# Altium PCB miniBackplane.PcbDoc (part 21 of 24)
Units mil, origin at the board's own origin, x right, y up, seen from the top; angles counter-clockwise.
Board outline 17285.63 x 8582.68 mil, 6 copper layers (Top Layer, Mid-Layer 1, GND, PWR, Mid-Layer 2, Bottom Layer), stack 62.362 mil thick; 519 components, 474 nets, 2434 pads, 1493 vias.
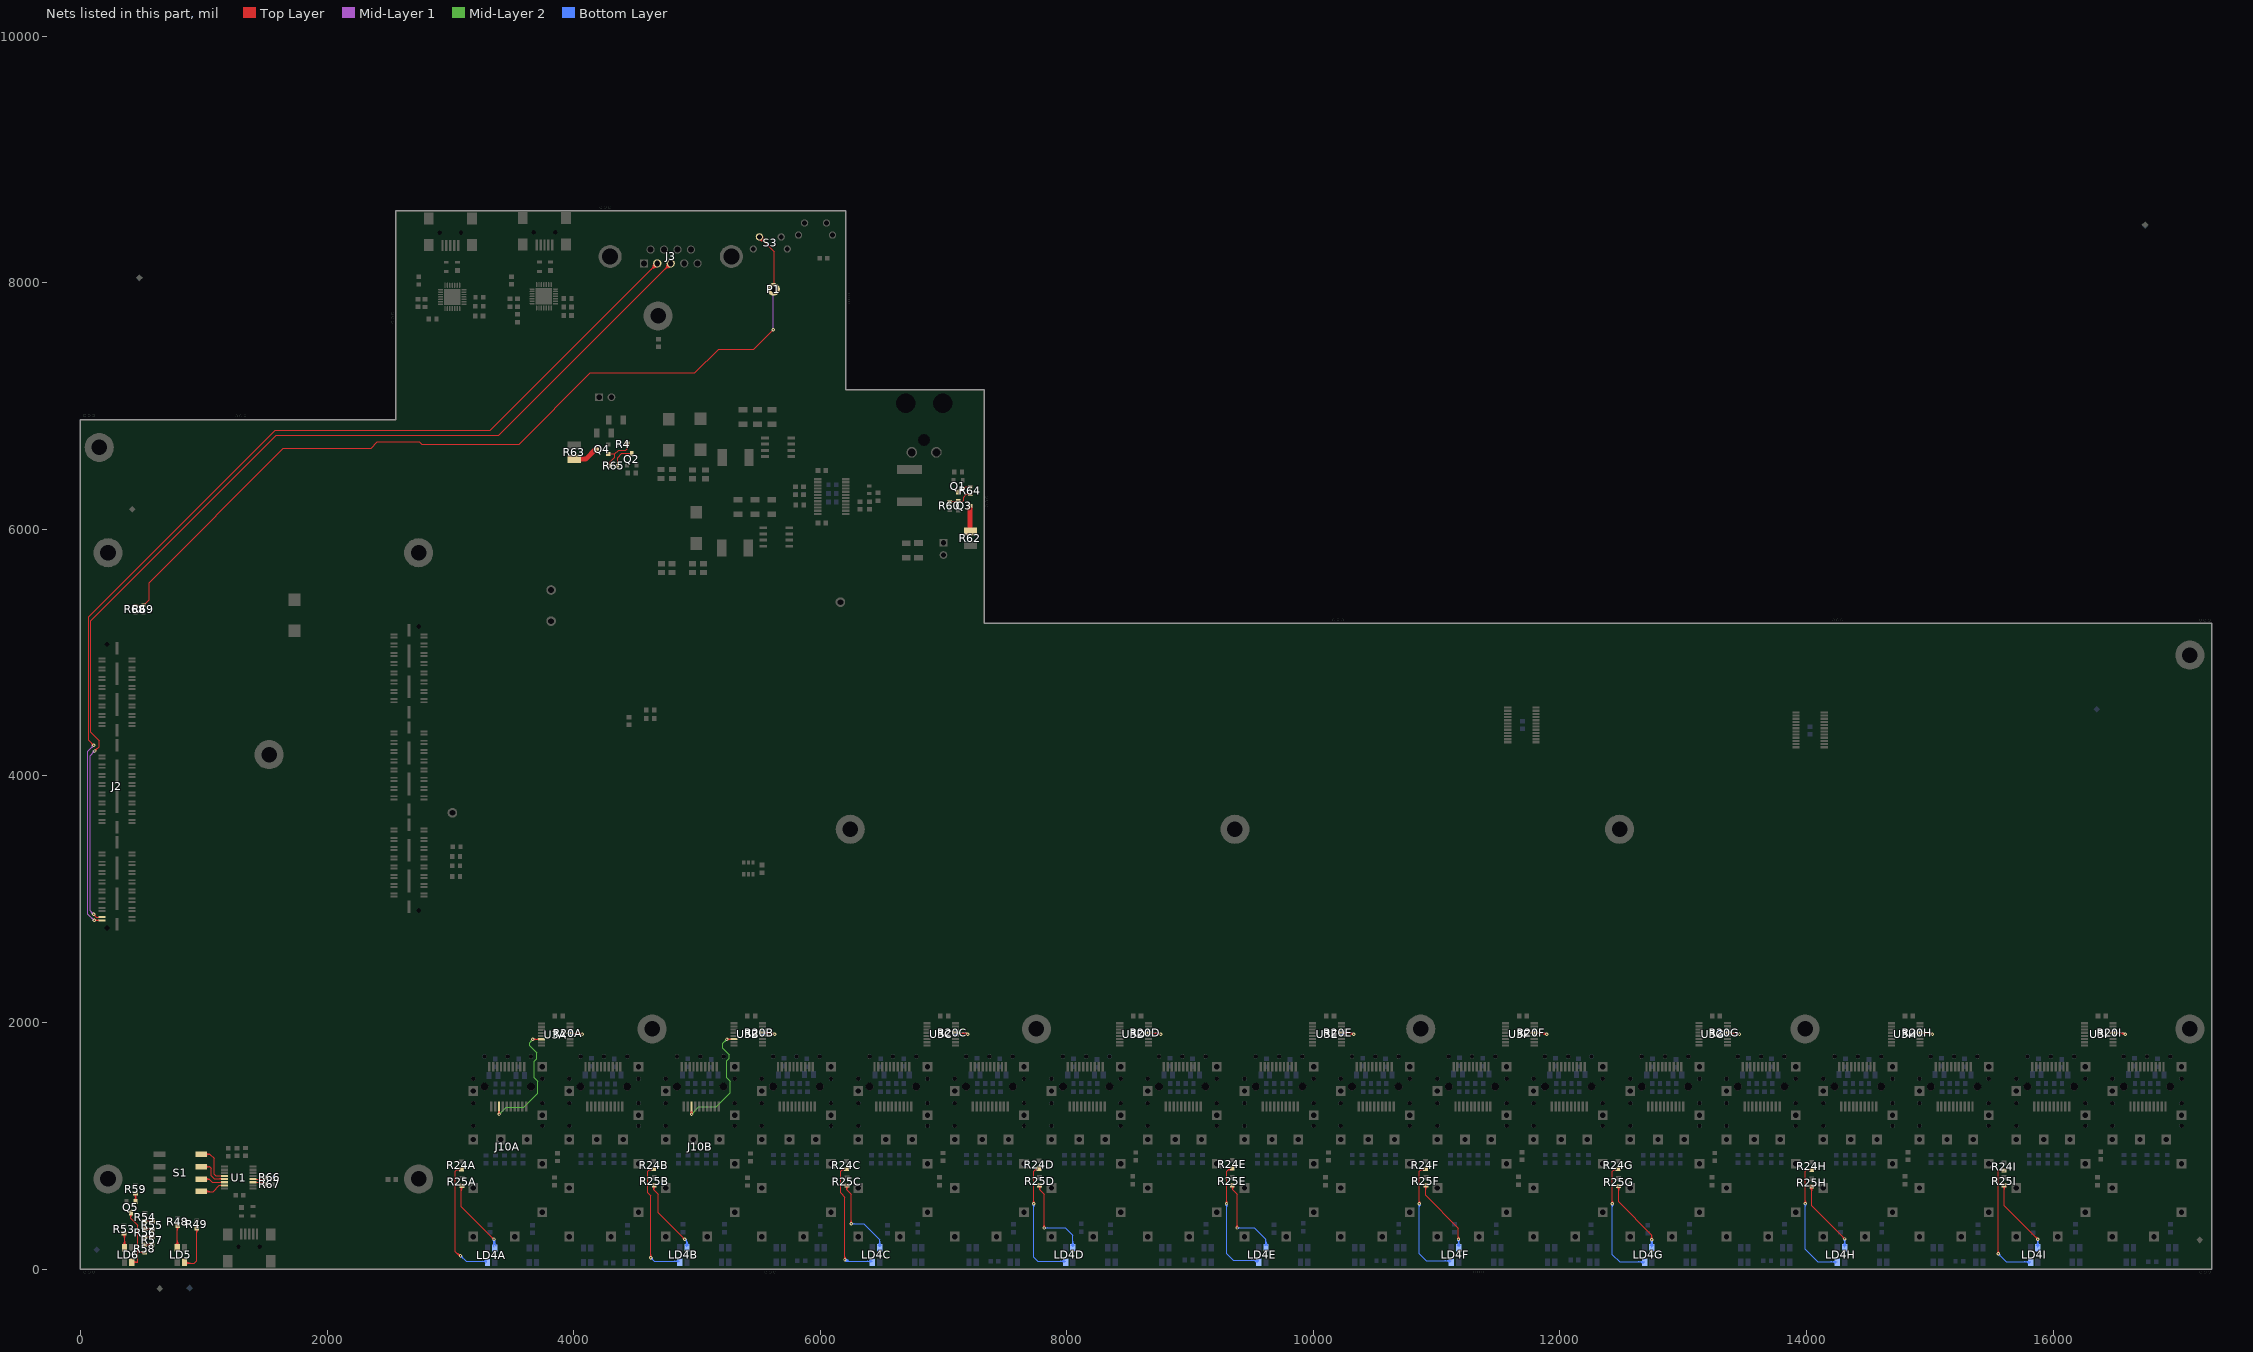
[diagram p25: the nets of this part, all layers, seen from the top]

## Via types
v1: diameter 27.56, hole 11.81, Top Layer to Bottom Layer, tented both sides, 1347 vias
v2: diameter 23.62, hole 11.81, Top Layer to Bottom Layer, tented both sides, 146 vias

## Nets (pads, with @x,y where several pads share a name; then routed paths per layer and width w, separated by ;. In a path a pad name is that pad's centre, name@x,y a point inside that pad or via, vN(x,y) a via of type N, cw(c..) or ccw(c..) an arc to the next point about the centre after c; other vN are vias at no path point) (continued)
NetLD4A_2: LD4A.2 R24A.2 | length 1577.6
  Top Layer w7.87: 3059.94,124.52 cw(c3051.29,92.21) v1@3080.95,107.67 ; 3064.88,115.32 ccw(c3069.21,131.5) v1@3077.7,117.07 ; 3064.88,115.33 cw(c3061.94,104.38) v1@3073.05,106.63 ; v1@3082.69,98.43 3039.67,141.45 3039.67,791.96 3053.17,805.46 ; R24A.2@3084.67,805.46 3053.17,805.46 ; 3053.17,805.46 ccw(c3053.17,836) 3077.58,817.65 cw(c3053.17,836) 3053.17,805.46 ; 3048.55,132.57 ccw(c3082.69,166.71) 3082.69,118.42 cw(c3082.69,166.71) 3048.55,132.57 ; 3061.99,119.12 ccw(c3082.69,139.82) 3082.69,110.55 cw(c3082.69,139.82) 3061.99,119.12 ; 3064.76,805.46 cw(c3064.76,785.53) 3078.85,799.63 ccw(c3064.76,785.53) 3064.76,805.46 ; 3068.95,805.46 ccw(c3068.95,824.15) 3083.88,812.92 cw(c3068.95,824.15) 3068.95,805.46
  Bottom Layer w7.87: v1(3082.69,108.58) 3129.94,61.34 LD4A.2@3297.26,61.34 ; 3099.49,91.78 ccw(c3082.69,74.98) 3082.69,98.74 cw(c3082.69,74.98) 3099.49,91.78 ; 3099.49,91.78 cw(c3116.3,108.58) 3092.54,108.58 ccw(c3116.3,108.58) 3099.49,91.78 ; 3258.43,61.34 ccw(c3258.43,104.11) 3288.67,73.87 cw(c3258.43,104.11) 3258.43,61.34 ; 3258.43,61.34 cw(c3258.43,18.57) 3288.67,48.81 ccw(c3258.43,18.57) 3258.43,61.34 ; 3277.43,61.34 ccw(c3277.43,85.1) 3294.24,68.3 cw(c3277.43,85.1) 3277.43,61.34 ; 3277.43,61.34 cw(c3277.43,37.58) 3294.24,54.38 ccw(c3277.43,37.58) 3277.43,61.34
NetLD4A_3: LD4A.3 R25A.2 | length 1240
  Top Layer w7.87: R25A.2@3089.67,660.46 3089.67,505.15 v1(3354.35,240.47) ; 3338.87,254.46 cw(c3334,236.31) v1@3352.42,240.08 ; 3340.36,255.95 ccw(c3358.51,260.81) v1@3354.74,242.4 ; 3337.54,257.27 ccw(c3354.35,274.08) 3354.35,250.31 cw(c3354.35,274.08) 3337.54,257.27 ; 3337.54,257.27 cw(c3320.74,240.47) 3344.5,240.47 ccw(c3320.74,240.47) 3337.54,257.27 ; R25A.2@3082.79,665.77 cw(c3066.19,649.16) 3089.67,649.16 ccw(c3066.19,649.16) R25A.2@3082.79,665.77 ; 3089.67,635.33 cw(c3132.72,635.33) 3102.28,665.77 ccw(c3132.72,635.33) 3089.67,635.33 ; 3089.67,654.33 cw(c3113.71,654.33) 3096.71,671.34 ccw(c3113.71,654.33) 3089.67,654.33
  Bottom Layer w7.87: v1(3354.35,240.47) 3354.35,181.42 LD4A.3@3356.31,179.45 ; v1@3349.42,231.95 cw(c3339.31,214.43) 3358.85,219.66 ; v1@3349.42,231.95 cw(c3339.31,214.43) 3358.85,219.66 ; v1@3349.42,231.95 cw(c3339.31,214.43) 3358.85,219.66 ; 3354.35,216.71 ccw(c3330.58,216.71) 3347.39,233.51 cw(c3330.58,216.71) 3354.35,216.71 ; 3354.35,216.71 cw(c3378.11,216.71) 3361.31,233.51 ccw(c3378.11,216.71) 3354.35,216.71 ; 3360.14,214.84 cw(c3386.51,221.9) v1@3362.87,235.55 ; 3360.14,214.84 cw(c3386.51,221.9) v1@3362.87,235.55 ; 3360.14,214.84 cw(c3386.51,221.9) v1@3362.87,235.55 ; LD4A.3@3347.72,191.98 ccw(c3331.74,207.96) 3354.35,207.96 cw(c3331.74,207.96) LD4A.3@3347.72,191.98 ; 3354.35,217.47 ccw(c3398.27,217.47) 3367.21,186.41 cw(c3398.27,217.47) 3354.35,217.47 ; v1@3354.35,236.48 ccw(c3417.28,236.48) 3372.78,191.98 cw(c3417.28,236.48) v1@3354.35,236.48
NetLD4B_2: LD4B.2 R24B.2 | length 1479.1
  Top Layer w7.87: v1@4625.38,90.55 4625.38,594.36 4601.13,618.61 4601.13,793.61 4614.63,807.12 ; R24B.2@4646.13,807.12 4614.63,807.12 ; 4614.63,807.12 ccw(c4614.63,833.75) 4636.65,818.77 cw(c4614.63,833.75) 4614.63,807.12 ; v1@4619.43,97.51 ccw(c4605.08,111.86) 4625.38,111.86 cw(c4605.08,111.86) v1@4619.43,97.51 ; 4624.21,807.12 cw(c4624.21,787.19) 4638.3,801.28 ccw(c4624.21,787.19) 4624.21,807.12 ; 4625.38,116.76 ccw(c4652.61,116.76) 4633.35,97.51 cw(c4652.61,116.76) 4625.38,116.76 ; 4629.51,807.12 ccw(c4629.51,823.63) 4643.16,814.34 cw(c4629.51,823.63) 4629.51,807.12
  Bottom Layer w7.87: v1(4626.39,90.55) 4653.95,62.99 LD4B.2@4856.71,62.99 ; 4643.2,73.75 ccw(c4626.39,56.95) 4626.39,80.71 cw(c4626.39,56.95) 4643.2,73.75 ; 4643.2,73.75 cw(c4660,90.55) 4636.24,90.55 ccw(c4660,90.55) 4643.2,73.75 ; 4817.87,62.99 ccw(c4817.87,105.76) 4848.12,75.52 cw(c4817.87,105.76) 4817.87,62.99 ; 4817.87,62.99 cw(c4817.87,20.22) 4848.12,50.46 ccw(c4817.87,20.22) 4817.87,62.99 ; 4836.88,62.99 ccw(c4836.88,86.75) 4853.69,69.95 cw(c4836.88,86.75) 4836.88,62.99 ; 4836.88,62.99 cw(c4836.88,39.23) 4853.69,56.03 ccw(c4836.88,39.23) 4836.88,62.99
NetLD4B_3: LD4B.3 R25B.2 | length 1117.4
  Top Layer w7.87: 4886.51,254.15 cw(c4881.64,235.99) v1@4900.06,239.76 ; 4887.99,255.63 ccw(c4906.15,260.5) v1@4902.38,242.09 ; v1(4901.98,240.16) 4686.13,456.02 4686.13,608.61 4651.13,643.61 4651.13,662.12 ; 4651.13,662.1 ccw(c4644.47,662.1) 4646.92,668.29 cw(c4644.47,662.1) 4651.13,662.1 ; 4651.13,662.1 cw(c4657,662.1) 4655.5,667.78 ccw(c4657,662.1) 4651.13,662.1 ; 4885.18,256.96 ccw(c4901.98,273.76) 4901.98,250 cw(c4901.98,273.76) 4885.18,256.96 ; 4885.18,256.96 cw(c4868.38,240.16) 4892.14,240.16 ccw(c4868.38,240.16) 4885.18,256.96 ; R25B.2@4642.24,671.36 cw(c4620.79,649.91) 4651.13,649.91 ccw(c4620.79,649.91) R25B.2@4642.24,671.36 ; 4651.13,645.76 cw(c4687.32,645.76) 4661.73,671.36 ccw(c4687.32,645.76) 4651.13,645.76
  Bottom Layer w7.87: v1(4901.98,240.16) 4919.7,222.44 ; LD4B.3@4919.7,181.1 4919.7,222.44 ; 4918.79,223.36 ccw(c4901.98,206.55) 4901.98,230.31 cw(c4901.98,206.55) 4918.79,223.36 ; 4918.79,223.35 cw(c4935.59,240.16) 4911.83,240.16 ccw(c4935.59,240.16) 4918.79,223.35 ; 4919.7,204.07 ccw(c4941.57,204.07) 4926.49,188.23 cw(c4941.57,204.07) 4919.7,204.07 ; 4919.7,204.07 cw(c4897.83,204.07) 4912.91,188.23 ccw(c4897.83,204.07) 4919.7,204.07 ; 4919.7,222.44 ccw(c4959.07,222.44) 4931.92,193.93 cw(c4959.07,222.44) 4919.7,222.44 ; 4919.7,222.44 cw(c4880.33,222.44) 4907.48,193.93 ccw(c4880.33,222.44) 4919.7,222.44
NetLD4C_2: LD4C.2 R24C.2 | length 1692.4
  Top Layer w7.87: v1(6201.2,74.81) 6201.2,583.55 6166.13,618.62 6166.13,793.62 6179.63,807.13 ; R24C.2@6211.13,807.13 6179.63,807.13 ; 6179.63,807.13 ccw(c6179.63,830.08) 6199.26,818.18 cw(c6179.63,830.08) 6179.63,807.13 ; 6201.2,98.57 ccw(c6224.96,98.57) 6208.16,81.77 cw(c6224.96,98.57) 6201.2,98.57 ; 6201.2,98.57 cw(c6177.43,98.57) 6194.24,81.77 ccw(c6177.43,98.57) 6201.2,98.57 ; 6187.2,807.13 cw(c6187.2,787.19) 6201.3,801.29 ccw(c6187.2,787.19) 6187.2,807.13 ; R24C.2@6193.62,807.13 ccw(c6193.62,821.6) 6205.99,814.09 cw(c6193.62,821.6) R24C.2@6193.62,807.13
  Bottom Layer w7.87: v1(6201.2,74.81) 6213.01,63 LD4C.2@6423.64,63 ; v1@6202.35,73.21 cw(c6212.51,59.15) 6221.25,74.14 ; v1@6205.3,65.86 cw(c6212.82,49.45) 6221.84,65.09 ; v1@6206.96,66.83 cw(c6220.26,48.41) 6231.71,68.04 ; v1@6210.7,77.36 ccw(c6227.39,81.83) 6218.75,66.87 ; 6380.87,63 ccw(c6380.87,105.77) 6411.11,75.53 cw(c6380.87,105.77) 6380.87,63 ; 6380.87,63 cw(c6380.87,20.23) 6411.11,50.47 ccw(c6380.87,20.23) 6380.87,63 ; 6399.88,63 ccw(c6399.88,86.76) 6416.68,69.96 cw(c6399.88,86.76) 6399.88,63 ; 6399.88,63 cw(c6399.88,39.24) 6416.68,56.04 ccw(c6399.88,39.24) 6399.88,63 ; v1@6197.02,70.63 ccw(c6215.45,89.07) 6215.45,63 cw(c6215.45,89.07) v1@6197.02,70.63 ; v1@6202.59,76.2 ccw(c6234.46,108.08) 6234.46,63 cw(c6234.46,108.08) v1@6202.59,76.2 ; v1@6208.16,81.77 ccw(c6253.47,127.09) 6253.47,63 cw(c6253.47,127.09) v1@6208.16,81.77
NetLD4C_3: LD4C.3 R25C.2 | length 1111
  Top Layer w7.87: R25C.2@6216.13,662.13 6216.13,643.62 ; v1(6251.13,366.15) 6251.13,608.62 6216.13,643.62 ; 6216.13,643.61 cw(c6248.22,643.61) 6226.34,667.09 ccw(c6248.22,643.61) 6216.13,643.61 ; 6251.13,389.91 ccw(c6274.89,389.91) 6258.09,373.11 cw(c6274.89,389.91) 6251.13,389.91 ; 6251.13,389.91 cw(c6227.36,389.91) 6244.17,373.11 ccw(c6227.36,389.91) 6251.13,389.91 ; R25C.2@6207.2,667.43 cw(c6185.66,645.88) 6216.13,645.88 ccw(c6185.66,645.88) R25C.2@6207.2,667.43
  Bottom Layer w7.87: v1(6251.13,366.15) 6354.74,366.15 6482.69,238.2 LD4C.3@6482.69,181.11 ; 6274.89,366.15 ccw(c6274.89,342.39) 6258.09,359.19 cw(c6274.89,342.39) 6274.89,366.15 ; 6274.89,366.15 cw(c6274.89,389.91) 6258.09,373.11 ccw(c6274.89,389.91) 6274.89,366.15 ; 6482.69,204.87 ccw(c6506.45,204.87) 6489.65,188.07 cw(c6506.45,204.87) 6482.69,204.87 ; 6482.69,204.87 cw(c6458.93,204.87) 6475.73,188.07 ccw(c6458.93,204.87) 6482.69,204.87 ; 6482.69,223.88 ccw(c6525.46,223.88) 6495.22,193.64 cw(c6525.46,223.88) 6482.69,223.88 ; 6482.69,223.88 cw(c6439.92,223.88) 6470.17,193.64 ccw(c6439.92,223.88) 6482.69,223.88
NetLD4D_2: LD4D.2 R24D.2 | length 1457.5
  Top Layer w7.87: v1(7731.13,528.07) 7731.13,793.62 7744.63,807.13 ; R24D.2@7776.13,807.13 7744.63,807.13 ; 7731.13,551.83 ccw(c7754.89,551.83) 7738.09,535.03 cw(c7754.89,551.83) 7731.13,551.83 ; 7731.13,551.83 cw(c7707.36,551.83) 7724.17,535.03 ccw(c7707.36,551.83) 7731.13,551.83 ; 7744.63,807.13 ccw(c7744.63,824.15) 7760.88,819.07 cw(c7744.63,824.15) 7744.63,807.13 ; 7755.34,807.13 ccw(c7755.34,820.8) 7768.39,816.73 cw(c7755.34,820.8) 7755.34,807.13
  Bottom Layer w7.87: v1(7731.13,528.07) 7731.13,96.06 7764.19,63 LD4D.2@7990.57,63 ; 7731.13,504.31 ccw(c7707.36,504.31) 7724.17,521.11 cw(c7707.36,504.31) 7731.13,504.31 ; 7731.13,504.31 cw(c7754.89,504.31) 7738.09,521.11 ccw(c7754.89,504.31) 7731.13,504.31 ; 7947.8,63 ccw(c7947.8,105.77) 7978.04,75.53 cw(c7947.8,105.77) 7947.8,63 ; 7947.8,63 cw(c7947.8,20.23) 7978.04,50.47 ccw(c7947.8,20.23) 7947.8,63 ; 7966.8,63 ccw(c7966.8,86.76) 7983.61,69.96 cw(c7966.8,86.76) 7966.8,63 ; 7966.8,63 cw(c7966.8,39.24) 7983.61,56.04 ccw(c7966.8,39.24) 7966.8,63
NetLD4D_3: LD4D.3 R25D.2 | length 1188.1
  Top Layer w7.87: 7781.13,662.13 7781.13,643.62 7816.13,608.62 v1(7816.13,333.07) ; 7781.13,662.11 ccw(c7774.52,662.11) 7776.91,668.27 cw(c7774.52,662.11) 7781.13,662.11 ; 7781.13,662.11 cw(c7787.02,662.11) 7785.49,667.8 ccw(c7787.02,662.11) 7781.13,662.11 ; 7816.13,356.83 ccw(c7839.89,356.83) 7823.09,340.03 cw(c7839.89,356.83) 7816.13,356.83 ; 7816.13,356.83 cw(c7792.36,356.83) 7809.17,340.03 ccw(c7792.36,356.83) 7816.13,356.83 ; R25D.2@7772.16,671.37 cw(c7750.52,649.73) 7781.13,649.73 ccw(c7750.52,649.73) R25D.2@7772.16,671.37 ; 7781.13,645.96 cw(c7817.05,645.96) 7791.65,671.37 ccw(c7817.05,645.96) 7781.13,645.96
  Bottom Layer w7.87: v1(7816.13,333.07) 7989.76,333.07 8049.62,273.21 LD4D.3@8049.62,181.11 ; 7839.89,333.07 ccw(c7839.89,309.31) 7823.09,326.11 cw(c7839.89,309.31) 7839.89,333.07 ; 7839.89,333.07 cw(c7839.89,356.83) 7823.09,340.03 ccw(c7839.89,356.83) 7839.89,333.07 ; 8049.62,204.87 ccw(c8073.38,204.87) 8056.58,188.07 cw(c8073.38,204.87) 8049.62,204.87 ; 8049.62,204.87 cw(c8025.86,204.87) 8042.66,188.07 ccw(c8025.86,204.87) 8049.62,204.87 ; 8049.62,223.88 ccw(c8092.39,223.88) 8062.15,193.64 cw(c8092.39,223.88) 8049.62,223.88 ; 8049.62,223.88 cw(c8006.85,223.88) 8037.09,193.64 ccw(c8006.85,223.88) 8049.62,223.88
NetLD4E_2: LD4E.2 R24E.2 | length 1517.9
  Top Layer w7.87: v1(9296.13,528.07) 9296.13,793.62 9309.63,807.13 ; R24E.2@9341.13,807.13 9309.63,807.13 ; 9296.13,551.83 ccw(c9319.89,551.83) 9303.09,535.03 cw(c9319.89,551.83) 9296.13,551.83 ; 9296.13,551.83 cw(c9272.36,551.83) 9289.17,535.03 ccw(c9272.36,551.83) 9296.13,551.83 ; 9309.63,807.13 ccw(c9309.63,825.33) 9327.46,821.67 cw(c9309.63,825.33) 9309.63,807.13 ; 9319.28,807.13 ccw(c9319.28,823.35) 9335.18,820.09 cw(c9319.28,823.35) 9319.28,807.13
  Bottom Layer w7.87: v1(9296.13,528.07) 9296.13,125.55 9350.8,70.87 LD4E.2@9557.5,70.87 ; 9535.58,64.68 cw(c9530.42,55.75) LD4E.2@9540.38,58.41 ; 9296.13,504.31 ccw(c9272.36,504.31) 9289.17,521.11 cw(c9272.36,504.31) 9296.13,504.31 ; 9296.13,504.31 cw(c9319.89,504.31) 9303.09,521.11 ccw(c9319.89,504.31) 9296.13,504.31 ; 9533.73,70.87 ccw(c9533.73,86.76) 9544.97,75.53 cw(c9533.73,86.76) 9533.73,70.87 ; 9533.73,70.87 cw(c9533.73,39.24) 9556.1,61.61 ccw(c9533.73,39.24) 9533.73,70.87 ; 9495.71,70.87 cw(c9495.71,1.22) 9544.97,50.47 ccw(c9495.71,1.22) 9495.71,70.87 ; 9514.72,70.87 cw(c9514.72,20.23) 9550.54,56.04 ccw(c9514.72,20.23) 9514.72,70.87
NetLD4E_3: LD4E.3 R25E.2 | length 1132.3
  Top Layer w7.87: 9346.13,662.13 9346.13,643.62 9381.13,608.62 v1(9381.13,333.07) ; 9346.13,662.09 ccw(c9340.34,662.09) 9341.69,667.71 cw(c9340.34,662.09) 9346.13,662.09 ; 9346.13,662.09 cw(c9353.04,662.09) 9350.32,668.44 ccw(c9353.04,662.09) 9346.13,662.09 ; 9381.13,356.83 ccw(c9404.89,356.83) 9388.09,340.03 cw(c9404.89,356.83) 9381.13,356.83 ; 9381.13,356.83 cw(c9357.36,356.83) 9374.17,340.03 ccw(c9357.36,356.83) 9381.13,356.83 ; R25E.2@9335.15,671.37 cw(c9308.67,644.88) 9346.13,644.88 ccw(c9308.67,644.88) R25E.2@9335.15,671.37 ; 9346.13,650.81 cw(c9375.2,650.81) 9354.64,671.37 ccw(c9375.2,650.81) 9346.13,650.81
  Bottom Layer w7.87: v1(9381.13,333.07) 9521.68,333.07 9614.58,240.17 LD4E.3@9614.58,190.95 ; 9404.89,333.07 ccw(c9404.89,309.31) 9388.09,326.11 cw(c9404.89,309.31) 9404.89,333.07 ; 9404.89,333.07 cw(c9404.89,356.83) 9388.09,340.03 ccw(c9404.89,356.83) 9404.89,333.07 ; LD4E.3@9604.02,193.64 ccw(c9578.53,219.13) 9614.58,219.13 cw(c9578.53,219.13) LD4E.3@9604.02,193.64 ; 9614.58,209.62 ccw(c9645.07,209.62) 9623.51,188.07 cw(c9645.07,209.62) 9614.58,209.62 ; 9614.58,228.63 ccw(c9664.07,228.63) 9629.08,193.64 cw(c9664.07,228.63) 9614.58,228.63
NetLD4F_2: LD4F.2 R24F.2 | length 1460.3
  Top Layer w7.87: v1(10860.69,528.07) 10860.69,793.62 10874.2,807.13 ; R24F.2@10905.69,807.13 10874.2,807.13 ; 10860.69,551.83 ccw(c10884.45,551.83) 10867.65,535.03 cw(c10884.45,551.83) 10860.69,551.83 ; 10860.69,551.83 cw(c10836.93,551.83) 10853.73,535.03 ccw(c10836.93,551.83) 10860.69,551.83 ; 10874.2,807.13 ccw(c10874.2,833.46) 10896.03,818.74 cw(c10874.2,833.46) 10874.2,807.13 ; 10883.62,807.13 cw(c10883.62,787.19) 10897.71,801.29 ccw(c10883.62,787.19) 10883.62,807.13 ; 10889.01,807.13 ccw(c10889.01,823.48) 10902.56,814.33 cw(c10889.01,823.48) 10889.01,807.13
  Bottom Layer w7.87: v1(10860.69,528.07) 10860.69,123.54 10917.3,66.94 LD4F.2@11120.05,66.94 ; 10860.69,504.31 ccw(c10836.93,504.31) 10853.73,521.11 cw(c10836.93,504.31) 10860.69,504.31 ; 10860.69,504.31 cw(c10884.45,504.31) 10867.65,521.11 ccw(c10884.45,504.31) 10860.69,504.31 ; 11086.79,66.94 ccw(c11086.79,96.27) 11107.53,75.53 cw(c11086.79,96.27) 11086.79,66.94 ; 11086.79,66.94 cw(c11086.79,29.73) 11113.1,56.04 ccw(c11086.79,29.73) 11086.79,66.94 ; 11067.78,66.94 cw(c11067.78,10.72) 11107.53,50.47 ccw(c11067.78,10.72) 11067.78,66.94
NetLD4F_3: LD4F.3 R25F.2 | length 1082.3
  Top Layer w7.87: 10910.69,662.13 10910.69,597.17 11177.14,330.72 v1(11177.14,240.17) ; 10910.69,662.11 ccw(c10904.14,662.11) 10906.48,668.24 cw(c10904.14,662.11) 10910.69,662.11 ; 10910.69,662.11 cw(c10916.61,662.11) 10915.04,667.82 ccw(c10916.61,662.11) 10910.69,662.11 ; 11177.14,263.93 ccw(c11200.9,263.93) 11184.1,247.12 cw(c11200.9,263.93) 11177.14,263.93 ; 11177.14,263.93 cw(c11153.38,263.93) 11170.18,247.12 ccw(c11153.38,263.93) 11177.14,263.93 ; R25F.2@10901.65,671.37 cw(c10879.82,649.54) 10910.69,649.54 ccw(c10879.82,649.54) R25F.2@10901.65,671.37 ; 10910.69,646.15 cw(c10946.35,646.15) 10921.14,671.37 ccw(c10946.35,646.15) 10910.69,646.15
  Bottom Layer w7.87: v1(11177.14,240.17) 11179.11,238.2 LD4F.3@11179.11,185.05 ; 11179.11,204.87 ccw(c11202.87,204.87) 11186.07,188.07 cw(c11202.87,204.87) 11179.11,204.87 ; 11179.11,204.87 cw(c11155.35,204.87) 11172.15,188.07 ccw(c11155.35,204.87) 11179.11,204.87 ; 11179.11,223.88 ccw(c11221.88,223.88) 11191.64,193.64 cw(c11221.88,223.88) 11179.11,223.88 ; 11179.11,223.88 cw(c11136.34,223.88) 11166.58,193.64 ccw(c11136.34,223.88) 11179.11,223.88 ; v1@11170.18,233.21 cw(c11148.63,211.65) 11179.11,211.65 ccw(c11148.63,211.65) v1@11170.18,233.21 ; 11179.11,221.16 cw(c11196.15,221.16) 11184.1,233.21 ccw(c11196.15,221.16) 11179.11,221.16
NetLD4G_2: LD4G.2 R24G.2 | length 1461.8
  Top Layer w7.87: v1(12425.69,528.07) 12425.69,793.62 12439.2,807.13 ; R24G.2@12470.69,807.13 12439.2,807.13 ; 12425.69,551.83 ccw(c12449.45,551.83) 12432.65,535.03 cw(c12449.45,551.83) 12425.69,551.83 ; 12425.69,551.83 cw(c12401.93,551.83) 12418.73,535.03 ccw(c12401.93,551.83) 12425.69,551.83 ; 12439.2,807.13 ccw(c12439.2,829.8) 12458.64,818.13 cw(c12439.2,829.8) 12439.2,807.13 ; 12446.61,807.13 cw(c12446.61,787.19) 12460.71,801.29 ccw(c12446.61,787.19) 12446.61,807.13 ; R24G.2@12453.11,807.13 ccw(c12453.11,821.44) 12465.39,814.07 cw(c12453.11,821.44) R24G.2@12453.11,807.13
  Bottom Layer w7.87: v1(12425.69,528.07) 12425.69,117.6 12484.23,59.06 LD4G.2@12686.98,59.06 ; 12425.69,504.31 ccw(c12401.93,504.31) 12418.73,521.11 cw(c12401.93,504.31) 12425.69,504.31 ; 12425.69,504.31 cw(c12449.45,504.31) 12432.65,521.11 ccw(c12449.45,504.31) 12425.69,504.31 ; 12653.72,59.06 ccw(c12653.72,88.39) 12674.46,67.65 cw(c12653.72,88.39) 12653.72,59.06 ; 12653.72,59.06 cw(c12653.72,21.86) 12680.02,48.17 ccw(c12653.72,21.86) 12653.72,59.06 ; 12634.71,59.06 cw(c12634.71,2.85) 12674.46,42.6 ccw(c12634.71,2.85) 12634.71,59.06
NetLD4G_3: LD4G.3 R25G.2 | length 1230.7
  Top Layer w7.87: R25G.2@12475.69,662.13 12475.69,543.98 12744.07,275.6 v1(12744.07,236.23) ; 12744.07,259.99 ccw(c12767.83,259.99) 12751.03,243.19 cw(c12767.83,259.99) 12744.07,259.99 ; 12744.07,259.99 cw(c12720.31,259.99) 12737.11,243.19 ccw(c12720.31,259.99) 12744.07,259.99 ; R25G.2@12466.61,663.49 cw(c12444.68,641.57) 12475.69,641.57 ccw(c12444.68,641.57) R25G.2@12466.61,663.49 ; 12475.69,638.37 cw(c12511.22,638.37) 12486.1,663.49 ccw(c12511.22,638.37) 12475.69,638.37
  Bottom Layer w7.87: v1(12744.07,236.23) 12746.04,234.26 LD4G.3@12746.04,177.17 ; v1@12737.39,229 cw(c12725.12,215.71) 12742.59,211.02 ; v1@12737.39,229 cw(c12725.12,215.71) 12742.59,211.02 ; v1@12737.39,229 cw(c12725.12,215.71) 12742.59,211.02 ; v1@12739.15,227.7 cw(c12729.48,210.95) 12748.16,215.96 ; v1@12739.15,227.7 cw(c12729.48,210.95) 12748.16,215.96 ; v1@12739.15,227.7 cw(c12729.48,210.95) 12748.16,215.96 ; 12746.04,204.87 ccw(c12769.8,204.87) 12753,188.07 cw(c12769.8,204.87) 12746.04,204.87 ; 12746.04,204.87 cw(c12722.28,204.87) 12739.08,188.07 ccw(c12722.28,204.87) 12746.04,204.87 ; v1@12746.04,223.88 ccw(c12788.81,223.88) 12758.57,193.64 cw(c12788.81,223.88) v1@12746.04,223.88 ; v1@12746.04,223.88 cw(c12703.27,223.88) 12733.51,193.64 ccw(c12703.27,223.88) v1@12746.04,223.88 ; 12749.78,209.92 cw(c12777,217.22) v1@12752.59,231.31 ; 12749.78,209.92 cw(c12777,217.22) v1@12752.59,231.31 ; 12749.78,209.92 cw(c12777,217.22) v1@12752.59,231.31 ; v1@12737.11,229.27 cw(c12715.56,207.71) 12746.04,207.71 ccw(c12715.56,207.71) v1@12737.11,229.27 ; 12746.04,217.22 cw(c12763.08,217.22) 12751.03,229.27 ccw(c12763.08,217.22) 12746.04,217.22
NetLD4H_2: LD4H.2 R24H.2 | length 1456.3
  Top Layer w7.87: v1(13990.69,531.5) 13990.69,793.62 14004.2,807.13 ; R24H.2@14035.69,807.13 14004.2,807.13 ; 13990.69,555.27 ccw(c14014.45,555.27) 13997.65,538.46 cw(c14014.45,555.27) 13990.69,555.27 ; 13990.69,555.27 cw(c13966.93,555.27) 13983.73,538.46 ccw(c13966.93,555.27) 13990.69,555.27 ; 14004.2,807.13 cw(c14004.2,773.22) 14030.59,794.51 ccw(c14004.2,773.22) 14004.2,807.13 ; 14017.63,807.13 ccw(c14017.63,826.84) 14031.57,812.9 cw(c14017.63,826.84) 14017.63,807.13 ; 14020.67,807.13 cw(c14020.67,786.5) 14036.72,799.45 ccw(c14020.67,786.5) 14020.67,807.13
  Bottom Layer w7.87: v1(13990.69,531.5) 13990.69,158.9 14090.53,59.06 LD4H.2@14249.98,59.06 ; 13990.69,507.74 ccw(c13966.93,507.74) 13983.73,524.54 cw(c13966.93,507.74) 13990.69,507.74 ; 13990.69,507.74 cw(c14014.45,507.74) 13997.65,524.54 ccw(c14014.45,507.74) 13990.69,507.74 ; 14216.71,59.06 ccw(c14216.71,88.39) 14237.45,67.65 cw(c14216.71,88.39) 14216.71,59.06 ; 14216.71,59.06 cw(c14216.71,21.86) 14243.02,48.17 ccw(c14216.71,21.86) 14216.71,59.06 ; 14197.7,59.06 cw(c14197.7,2.85) 14237.45,42.6 ccw(c14197.7,2.85) 14197.7,59.06
NetLD4H_3: LD4H.3 R25H.2 | length 1102.2
  Top Layer w7.87: R25H.2@14040.69,662.13 14040.69,514.41 v1(14311,244.1) ; 14295.52,258.09 cw(c14290.66,239.94) v1@14309.07,243.71 ; 14297.01,259.58 ccw(c14315.17,264.44) v1@14311.39,246.03 ; 14294.2,260.9 ccw(c14311,277.71) 14311,253.94 cw(c14311,277.71) 14294.2,260.9 ; 14294.2,260.9 cw(c14277.4,244.1) 14301.16,244.1 ccw(c14277.4,244.1) 14294.2,260.9 ; R25H.2@14031.57,659.56 cw(c14009.55,637.53) 14040.69,637.53 ccw(c14009.55,637.53) R25H.2@14031.57,659.56 ; 14040.69,634.53 cw(c14076.08,634.53) 14051.06,659.56 ccw(c14076.08,634.53) 14040.69,634.53
  Bottom Layer w7.87: LD4H.3@14309.03,177.17 14309.03,242.13 v1(14311,244.1) ; 14309.03,204.87 ccw(c14332.79,204.87) 14315.99,188.07 cw(c14332.79,204.87) 14309.03,204.87 ; 14309.03,204.87 cw(c14285.27,204.87) 14302.07,188.07 ccw(c14285.27,204.87) 14309.03,204.87 ; 14309.03,223.88 ccw(c14351.8,223.88) 14321.56,193.64 cw(c14351.8,223.88) 14309.03,223.88 ; 14309.03,223.88 cw(c14266.26,223.88) 14296.5,193.64 ccw(c14266.26,223.88) 14309.03,223.88 ; v1@14304.04,237.14 cw(c14291.99,225.09) 14309.03,225.09 ccw(c14291.99,225.09) v1@14304.04,237.14 ; 14309.03,215.59 cw(c14339.51,215.59) 14317.96,237.14 ccw(c14339.51,215.59) 14309.03,215.59
NetLD4I_2: LD4I.2 R24I.2 | length 1441.1
  Top Layer w7.87: v1@15555.69,122.05 15555.69,618.62 15555.69,793.62 15569.2,807.13 ; R24I.2@15600.69,807.13 15569.2,807.13 ; 15555.69,146.28 ccw(c15579.45,146.28) 15562.65,129.48 cw(c15579.45,146.28) 15555.69,146.28 ; 15555.69,146.28 cw(c15531.93,146.28) 15548.73,129.48 ccw(c15531.93,146.28) 15555.69,146.28 ; 15569.2,807.13 cw(c15569.2,786.1) 15588.67,794.03 ccw(c15569.2,786.1) 15569.2,807.13 ; 15580.9,807.13 cw(c15580.9,790.87) 15595.96,796.99 ccw(c15580.9,790.87) 15580.9,807.13